# Altium PCB yidong.PcbDoc (part 2 of 2)
Units mil, origin at the board's own origin, x right, y up, seen from the top; angles counter-clockwise.
Board outline 17007.87 x 11459.7 mil, 3 copper layers (Top Layer, GND, Bottom Layer), stack 19.217 mil thick; 488 components, 481 nets, 1152 pads, 320 vias.
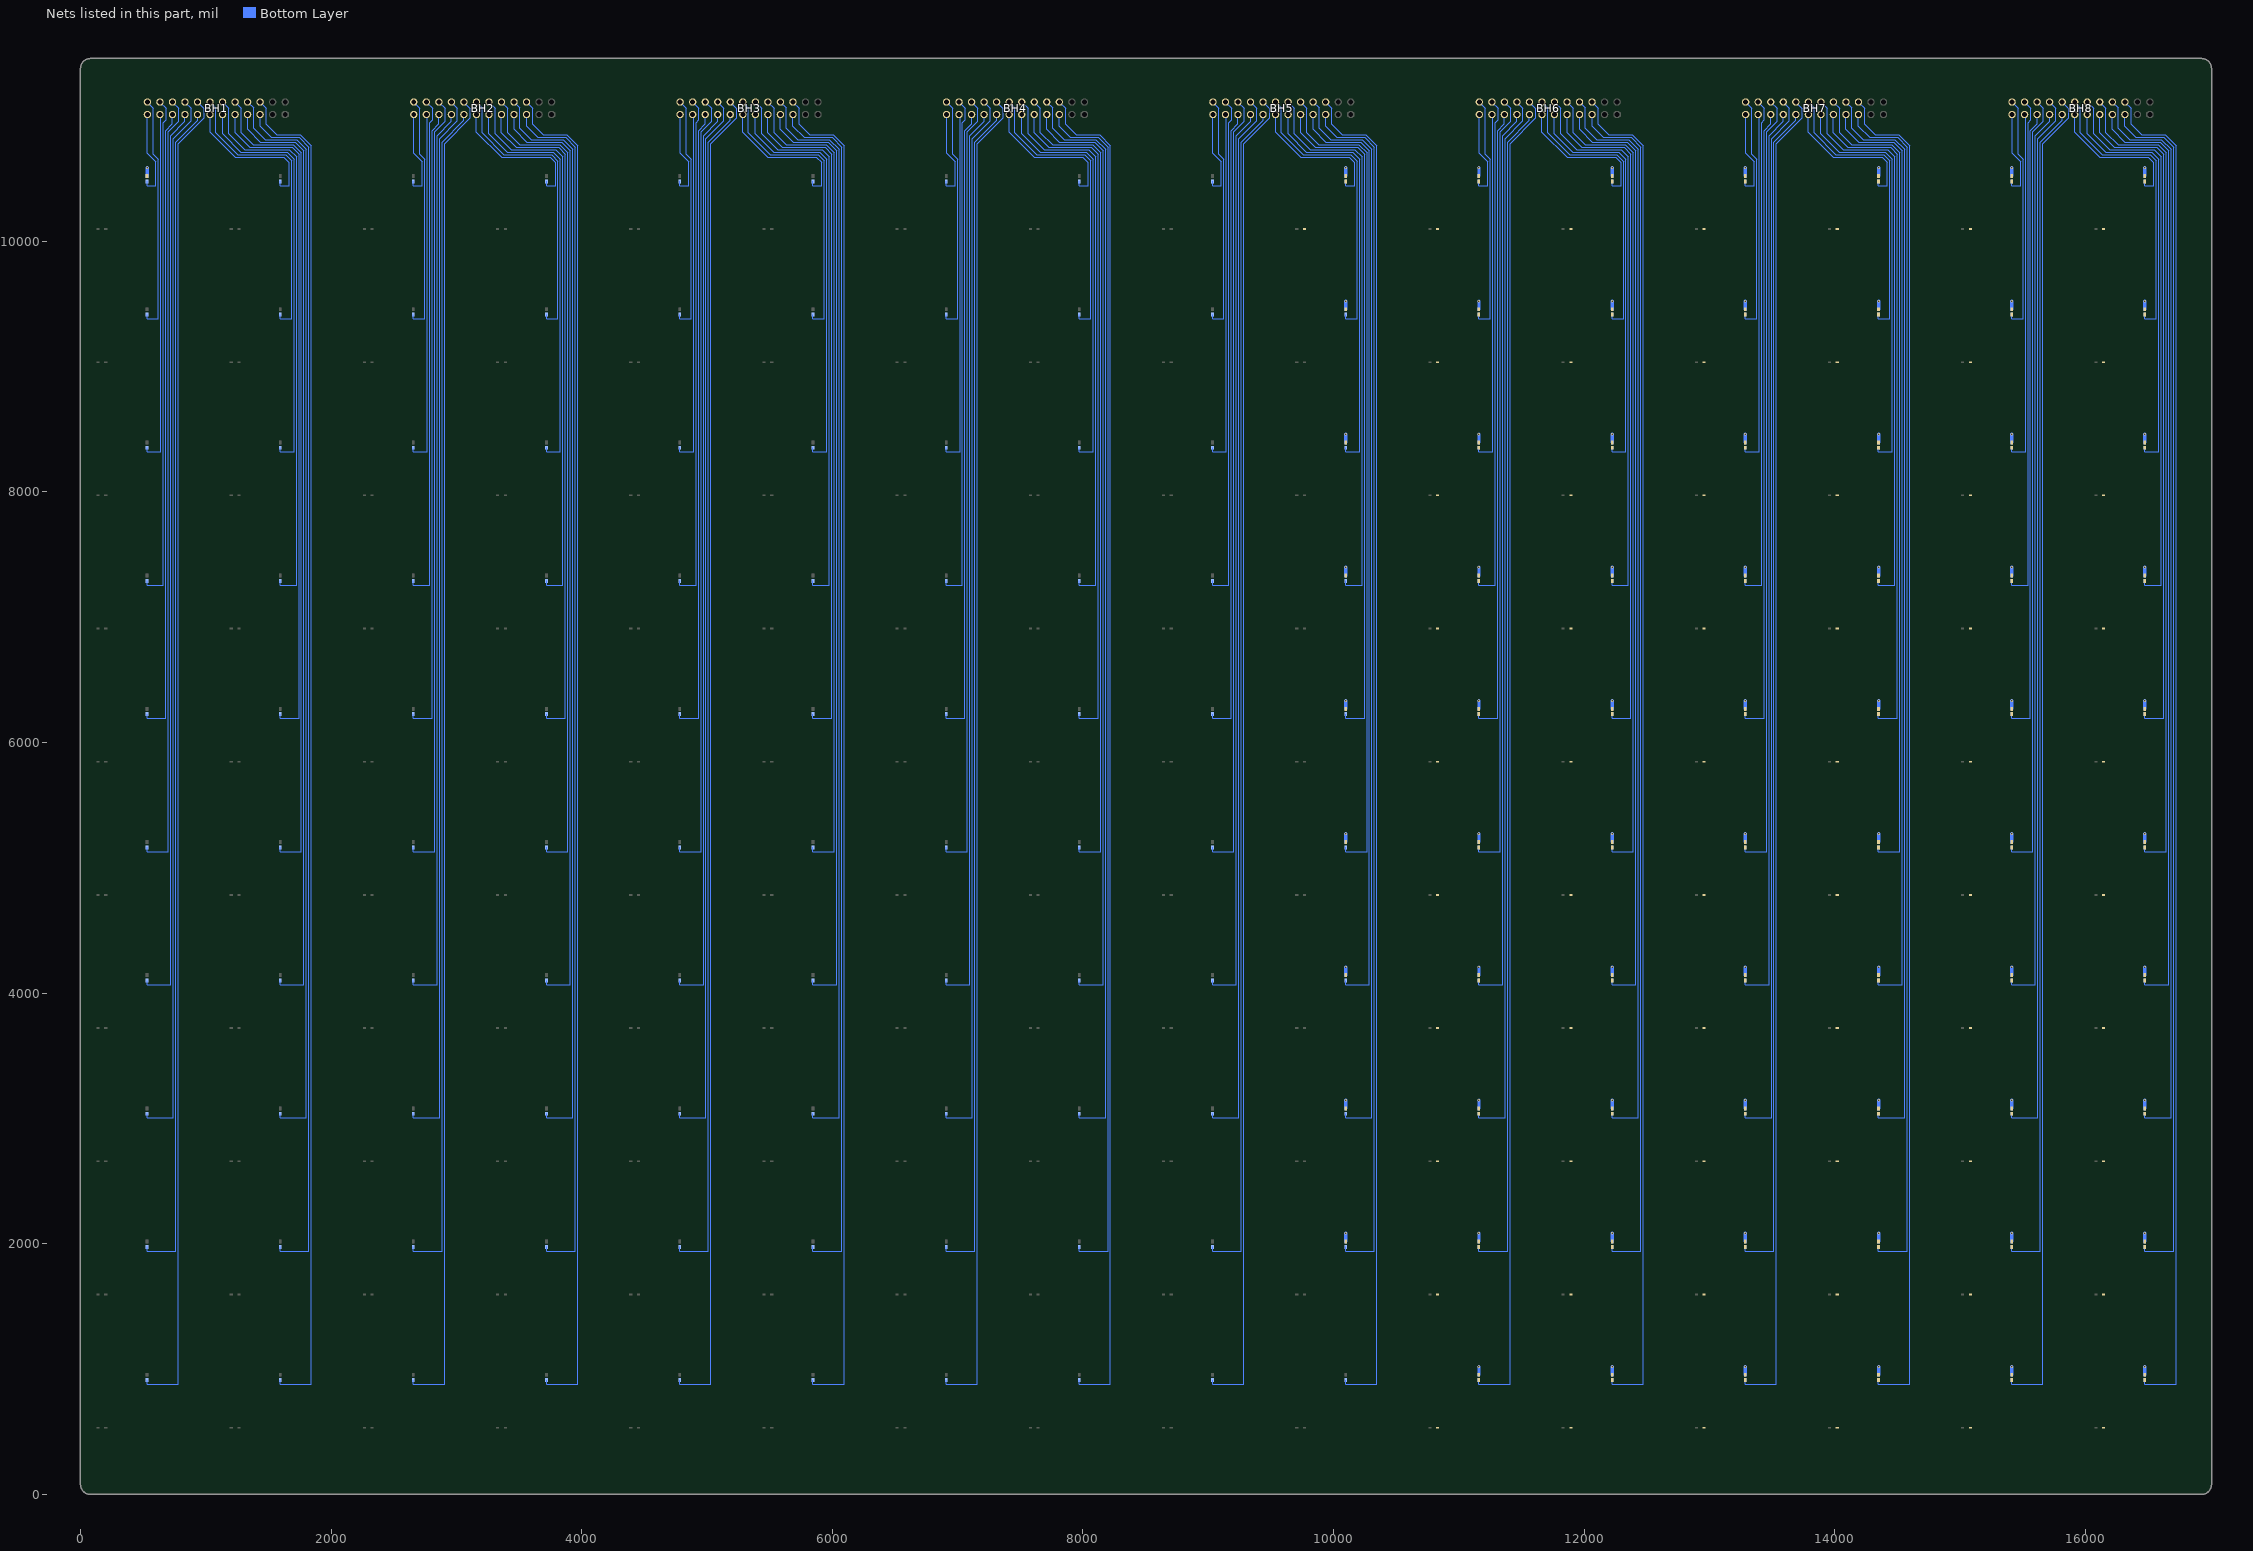
[diagram p3: the nets of this part, all layers, seen from the top]

## Via types
v1: diameter 19.68, hole 11.81, Top Layer to Bottom Layer, tented both sides, 320 vias

## Nets (pads, with @x,y where several pads share a name; then routed paths per layer and width w, separated by ;. In a path a pad name is that pad's centre, name@x,y a point inside that pad or via, vN(x,y) a via of type N, cw(c..) or ccw(c..) an arc to the next point about the centre after c; other vN are vias at no path point) (continued)
NewNet190: BL9_9.2 FL9_9.1 | length 64.6
  Bottom Layer w27.56: BL9_9.2@10098.43,2018.03 v1(10098.43,2082.68)
NewNet191: BL8_9.2 FL8_9.1 | length 64.6
  Bottom Layer w27.56: BL8_9.2@10098.43,3081.03 v1(10098.43,3145.67)
NewNet192: BL7_9.2 FL7_9.1 | length 64.6
  Bottom Layer w27.56: BL7_9.2@10098.43,4144.02 v1(10098.43,4208.66)
NewNet193: BL6_9.2 FL6_9.1 | length 64.6
  Bottom Layer w27.56: BL6_9.2@10098.43,5207.01 v1(10098.43,5271.65)
NewNet194: BL5_9.2 FL5_9.1 | length 64.6
  Bottom Layer w27.56: BL5_9.2@10098.43,6270 v1(10098.43,6334.65)
NewNet195: BL4_9.2 FL4_9.1 | length 64.6
  Bottom Layer w27.56: BL4_9.2@10098.43,7332.99 v1(10098.43,7397.64)
NewNet196: BL3_9.2 FL3_9.1 | length 64.6
  Bottom Layer w27.56: BL3_9.2@10098.43,8395.99 v1(10098.43,8460.63)
NewNet197: BL2_9.2 FL2_9.1 | length 64.6
  Bottom Layer w27.56: BL2_9.2@10098.43,9458.98 v1(10098.43,9523.62)
NewNet198: D1_9.2 FL1_9.2
NewNet199: BL1_9.2 FL1_9.1 | length 64.6
  Bottom Layer w27.56: BL1_9.2@10098.43,10521.97 v1(10098.43,10586.61)
NewNet200: D10_10.2 FL10_10.2
NewNet201: D9_10.2 FL9_10.2
NewNet202: D8_10.2 FL8_10.2
NewNet203: D7_10.2 FL7_10.2
NewNet204: D6_10.2 FL6_10.2
NewNet205: D5_10.2 FL5_10.2
NewNet206: D4_10.2 FL4_10.2
NewNet207: D3_10.2 FL3_10.2
NewNet208: D2_10.2 FL2_10.2
NewNet209: BL10_10.2 FL10_10.1 | length 64.6
  Bottom Layer w27.56: BL10_10.2@11161.42,955.04 v1(11161.42,1019.68)
NewNet210: BL9_10.2 FL9_10.1 | length 64.6
  Bottom Layer w27.56: BL9_10.2@11161.42,2018.03 v1(11161.42,2082.68)
NewNet211: BL8_10.2 FL8_10.1 | length 64.6
  Bottom Layer w27.56: BL8_10.2@11161.42,3081.03 v1(11161.42,3145.67)
NewNet212: BL7_10.2 FL7_10.1 | length 64.6
  Bottom Layer w27.56: BL7_10.2@11161.42,4144.02 v1(11161.42,4208.66)
NewNet213: BL6_10.2 FL6_10.1 | length 64.6
  Bottom Layer w27.56: BL6_10.2@11161.42,5207.01 v1(11161.42,5271.65)
NewNet214: BL5_10.2 FL5_10.1 | length 64.6
  Bottom Layer w27.56: BL5_10.2@11161.42,6270 v1(11161.42,6334.65)
NewNet215: BL4_10.2 FL4_10.1 | length 64.6
  Bottom Layer w27.56: BL4_10.2@11161.42,7332.99 v1(11161.42,7397.64)
NewNet216: BL3_10.2 FL3_10.1 | length 64.6
  Bottom Layer w27.56: BL3_10.2@11161.42,8395.99 v1(11161.42,8460.63)
NewNet217: BL2_10.2 FL2_10.1 | length 64.6
  Bottom Layer w27.56: BL2_10.2@11161.42,9458.98 v1(11161.42,9523.62)
NewNet218: D1_10.2 FL1_10.2
NewNet219: BL1_10.2 FL1_10.1 | length 64.6
  Bottom Layer w27.56: BL1_10.2@11161.42,10521.97 v1(11161.42,10586.61)
NewNet220: D10_11.2 FL10_11.2
NewNet221: D9_11.2 FL9_11.2
NewNet222: D8_11.2 FL8_11.2
NewNet223: D7_11.2 FL7_11.2
NewNet224: D6_11.2 FL6_11.2
NewNet225: D5_11.2 FL5_11.2
NewNet226: D4_11.2 FL4_11.2
NewNet227: D3_11.2 FL3_11.2
NewNet228: D2_11.2 FL2_11.2
NewNet229: BL10_11.2 FL10_11.1 | length 64.6
  Bottom Layer w27.56: BL10_11.2@12224.41,955.04 v1(12224.41,1019.68)
NewNet230: BL9_11.2 FL9_11.1 | length 64.6
  Bottom Layer w27.56: BL9_11.2@12224.41,2018.03 v1(12224.41,2082.68)
NewNet231: BL8_11.2 FL8_11.1 | length 64.6
  Bottom Layer w27.56: BL8_11.2@12224.41,3081.03 v1(12224.41,3145.67)
NewNet232: BL7_11.2 FL7_11.1 | length 64.6
  Bottom Layer w27.56: BL7_11.2@12224.41,4144.02 v1(12224.41,4208.66)
NewNet233: BL6_11.2 FL6_11.1 | length 64.6
  Bottom Layer w27.56: BL6_11.2@12224.41,5207.01 v1(12224.41,5271.65)
NewNet234: BL5_11.2 FL5_11.1 | length 64.6
  Bottom Layer w27.56: BL5_11.2@12224.41,6270 v1(12224.41,6334.65)
NewNet235: BL4_11.2 FL4_11.1 | length 64.6
  Bottom Layer w27.56: BL4_11.2@12224.41,7332.99 v1(12224.41,7397.64)
NewNet236: BL3_11.2 FL3_11.1 | length 64.6
  Bottom Layer w27.56: BL3_11.2@12224.41,8395.99 v1(12224.41,8460.63)
NewNet237: BL2_11.2 FL2_11.1 | length 64.6
  Bottom Layer w27.56: BL2_11.2@12224.41,9458.98 v1(12224.41,9523.62)
NewNet238: D1_11.2 FL1_11.2
NewNet239: BL1_11.2 FL1_11.1 | length 64.6
  Bottom Layer w27.56: BL1_11.2@12224.41,10521.97 v1(12224.41,10586.61)
NewNet240: D10_12.2 FL10_12.2
NewNet241: D9_12.2 FL9_12.2
NewNet242: D8_12.2 FL8_12.2
NewNet243: D7_12.2 FL7_12.2
NewNet244: D6_12.2 FL6_12.2
NewNet245: D5_12.2 FL5_12.2
NewNet246: D4_12.2 FL4_12.2
NewNet247: D3_12.2 FL3_12.2
NewNet248: D2_12.2 FL2_12.2
NewNet249: BL10_12.2 FL10_12.1 | length 64.6
  Bottom Layer w27.56: BL10_12.2@13287.4,955.04 v1(13287.4,1019.68)
NewNet250: BL9_12.2 FL9_12.1 | length 64.6
  Bottom Layer w27.56: BL9_12.2@13287.4,2018.03 v1(13287.4,2082.68)
NewNet251: BL8_12.2 FL8_12.1 | length 64.6
  Bottom Layer w27.56: BL8_12.2@13287.4,3081.03 v1(13287.4,3145.67)
NewNet252: BL7_12.2 FL7_12.1 | length 64.6
  Bottom Layer w27.56: BL7_12.2@13287.4,4144.02 v1(13287.4,4208.66)
NewNet253: BL6_12.2 FL6_12.1 | length 64.6
  Bottom Layer w27.56: BL6_12.2@13287.4,5207.01 v1(13287.4,5271.65)
NewNet254: BL5_12.2 FL5_12.1 | length 64.6
  Bottom Layer w27.56: BL5_12.2@13287.4,6270 v1(13287.4,6334.65)
NewNet255: BL4_12.2 FL4_12.1 | length 64.6
  Bottom Layer w27.56: BL4_12.2@13287.4,7332.99 v1(13287.4,7397.64)
NewNet256: BL3_12.2 FL3_12.1 | length 64.6
  Bottom Layer w27.56: BL3_12.2@13287.4,8395.99 v1(13287.4,8460.63)
NewNet257: BL2_12.2 FL2_12.1 | length 64.6
  Bottom Layer w27.56: BL2_12.2@13287.4,9458.98 v1(13287.4,9523.62)
NewNet258: D1_12.2 FL1_12.2
NewNet259: BL1_12.2 FL1_12.1 | length 64.6
  Bottom Layer w27.56: BL1_12.2@13287.4,10521.97 v1(13287.4,10586.61)
NewNet260: D10_13.2 FL10_13.2
NewNet261: D9_13.2 FL9_13.2
NewNet262: D8_13.2 FL8_13.2
NewNet263: D7_13.2 FL7_13.2
NewNet264: D6_13.2 FL6_13.2
NewNet265: D5_13.2 FL5_13.2
NewNet266: D4_13.2 FL4_13.2
NewNet267: D3_13.2 FL3_13.2
NewNet268: D2_13.2 FL2_13.2
NewNet269: BL10_13.2 FL10_13.1 | length 64.6
  Bottom Layer w27.56: BL10_13.2@14350.39,955.04 v1(14350.39,1019.68)
NewNet270: BL9_13.2 FL9_13.1 | length 64.6
  Bottom Layer w27.56: BL9_13.2@14350.39,2018.03 v1(14350.39,2082.68)
NewNet271: BL8_13.2 FL8_13.1 | length 64.6
  Bottom Layer w27.56: BL8_13.2@14350.39,3081.03 v1(14350.39,3145.67)
NewNet272: BL7_13.2 FL7_13.1 | length 64.6
  Bottom Layer w27.56: BL7_13.2@14350.39,4144.02 v1(14350.39,4208.66)
NewNet273: BL6_13.2 FL6_13.1 | length 64.6
  Bottom Layer w27.56: BL6_13.2@14350.39,5207.01 v1(14350.39,5271.65)
NewNet274: BL5_13.2 FL5_13.1 | length 64.6
  Bottom Layer w27.56: BL5_13.2@14350.39,6270 v1(14350.39,6334.65)
NewNet275: BL4_13.2 FL4_13.1 | length 64.6
  Bottom Layer w27.56: BL4_13.2@14350.39,7332.99 v1(14350.39,7397.64)
NewNet276: BL3_13.2 FL3_13.1 | length 64.6
  Bottom Layer w27.56: BL3_13.2@14350.39,8395.99 v1(14350.39,8460.63)
NewNet277: BL2_13.2 FL2_13.1 | length 64.6
  Bottom Layer w27.56: BL2_13.2@14350.39,9458.98 v1(14350.39,9523.62)
NewNet278: D1_13.2 FL1_13.2
NewNet279: BL1_13.2 FL1_13.1 | length 64.6
  Bottom Layer w27.56: BL1_13.2@14350.39,10521.97 v1(14350.39,10586.61)
NewNet280: D10_14.2 FL10_14.2
NewNet281: D9_14.2 FL9_14.2
NewNet282: D8_14.2 FL8_14.2
NewNet283: D7_14.2 FL7_14.2
NewNet284: D6_14.2 FL6_14.2
NewNet285: D5_14.2 FL5_14.2
NewNet286: D4_14.2 FL4_14.2
NewNet287: D3_14.2 FL3_14.2
NewNet288: D2_14.2 FL2_14.2
NewNet289: BL10_14.2 FL10_14.1 | length 64.6
  Bottom Layer w27.56: BL10_14.2@15413.39,955.04 v1(15413.39,1019.68)
NewNet290: BL9_14.2 FL9_14.1 | length 64.6
  Bottom Layer w27.56: BL9_14.2@15413.39,2018.03 v1(15413.39,2082.68)
NewNet291: BL8_14.2 FL8_14.1 | length 64.6
  Bottom Layer w27.56: BL8_14.2@15413.39,3081.03 v1(15413.39,3145.67)
NewNet292: BL7_14.2 FL7_14.1 | length 64.6
  Bottom Layer w27.56: BL7_14.2@15413.39,4144.02 v1(15413.39,4208.66)
NewNet293: BL6_14.2 FL6_14.1 | length 64.6
  Bottom Layer w27.56: BL6_14.2@15413.39,5207.01 v1(15413.39,5271.65)
NewNet294: BL5_14.2 FL5_14.1 | length 64.6
  Bottom Layer w27.56: BL5_14.2@15413.39,6270 v1(15413.39,6334.65)
NewNet295: BL4_14.2 FL4_14.1 | length 64.6
  Bottom Layer w27.56: BL4_14.2@15413.39,7332.99 v1(15413.39,7397.64)
NewNet296: BL3_14.2 FL3_14.1 | length 64.6
  Bottom Layer w27.56: BL3_14.2@15413.39,8395.99 v1(15413.39,8460.63)
NewNet297: BL2_14.2 FL2_14.1 | length 64.6
  Bottom Layer w27.56: BL2_14.2@15413.39,9458.98 v1(15413.39,9523.62)
NewNet298: D1_14.2 FL1_14.2
NewNet299: BL1_14.2 FL1_14.1 | length 64.6
  Bottom Layer w27.56: BL1_14.2@15413.39,10521.97 v1(15413.39,10586.61)
NewNet300: D10_15.2 FL10_15.2
NewNet301: D9_15.2 FL9_15.2
NewNet302: D8_15.2 FL8_15.2
NewNet303: D7_15.2 FL7_15.2
NewNet304: D6_15.2 FL6_15.2
NewNet305: D5_15.2 FL5_15.2
NewNet306: D4_15.2 FL4_15.2
NewNet307: D3_15.2 FL3_15.2
NewNet308: D2_15.2 FL2_15.2
NewNet309: BL10_15.2 FL10_15.1 | length 64.6
  Bottom Layer w27.56: BL10_15.2@16476.38,955.04 v1(16476.38,1019.68)
NewNet310: BL9_15.2 FL9_15.1 | length 64.6
  Bottom Layer w27.56: BL9_15.2@16476.38,2018.03 v1(16476.38,2082.68)
NewNet311: BL8_15.2 FL8_15.1 | length 64.6
  Bottom Layer w27.56: BL8_15.2@16476.38,3081.03 v1(16476.38,3145.67)
NewNet312: BL7_15.2 FL7_15.1 | length 64.6
  Bottom Layer w27.56: BL7_15.2@16476.38,4144.02 v1(16476.38,4208.66)
NewNet313: BL6_15.2 FL6_15.1 | length 64.6
  Bottom Layer w27.56: BL6_15.2@16476.38,5207.01 v1(16476.38,5271.65)
NewNet314: BL5_15.2 FL5_15.1 | length 64.6
  Bottom Layer w27.56: BL5_15.2@16476.38,6270 v1(16476.38,6334.65)
NewNet315: BL4_15.2 FL4_15.1 | length 64.6
  Bottom Layer w27.56: BL4_15.2@16476.38,7332.99 v1(16476.38,7397.64)
NewNet316: BL3_15.2 FL3_15.1 | length 64.6
  Bottom Layer w27.56: BL3_15.2@16476.38,8395.99 v1(16476.38,8460.63)
NewNet317: BL2_15.2 FL2_15.1 | length 64.6
  Bottom Layer w27.56: BL2_15.2@16476.38,9458.98 v1(16476.38,9523.62)
NewNet318: D1_15.2 FL1_15.2
NewNet319: BL1_15.2 FL1_15.1 | length 64.6
  Bottom Layer w27.56: BL1_15.2@16476.38,10521.97 v1(16476.38,10586.61)
NewNet320: BL1.2 FL1.1 | length 64.6
  Bottom Layer w27.56: BL1.2@531.5,10521.97 v1(531.5,10586.61)
NewNet321: BH1.23 BL1.1 | length 700.4
  Bottom Layer w7.87: BL1.1@530.98,10478.54 531,10445 602.4,10445 602.4,10636.2 534.1,10704.5 BH1.23@534.1,11012.2
NewNet322: BH1.24 BL2.1 | length 1891.6
  Bottom Layer w7.87: BL2.1@531,9415.55 531,9382.01 622.09,9382.01 622.09,10629.92 622.5,10630.34 622.5,10653.6 581.9,10694.2 581.9,11064.4 BH1.24@534.1,11112.2
NewNet323: BH1.21 BL3.1 | length 2840.7
  Bottom Layer w7.87: BL3.1@531,8352.56 531,8319.02 641.77,8319.02 641.77,11004.53 BH1.21@634.1,11012.2
NewNet324: BH1.22 BL4.1 | length 4050
  Bottom Layer w7.87: BL4.1@531,7289.56 531,7256.02 661.46,7256.02 661.46,10948.56 683.8,10970.9 683.8,11062.5 BH1.22@634.1,11112.2
NewNet325: BH1.19 BL5.1 | length 5024.8
  Bottom Layer w7.87: BL5.1@531,6226.57 531,6193.03 681.14,6193.03 681.14,10884.04 734.1,10937 BH1.19@734.1,11012.2
NewNet326: BH1.20 BL6.1 | length 6241.3
  Bottom Layer w7.87: BL6.1@531,5163.58 531,5130.04 700.83,5130.04 700.83,10874.03 784.8,10958 784.8,11061.5 BH1.20@734.1,11112.2
NewNet327: BH1.17 BL7.1 | length 7215.3
  Bottom Layer w7.87: BL7.1@531,4100.59 531,4067.05 720.51,4067.05 720.51,10844.81 834.1,10958.4 BH1.17@834.1,11012.2
NewNet328: BH1.18 BL8.1 | length 8429.8
  Bottom Layer w7.87: BL8.1@531,3037.6 531,3004.06 740.2,3004.06 740.2,10821 882.4,10963.2 882.4,11063.9 BH1.18@834.1,11112.2
NewNet329: BH1.15 BL9.1 | length 9405.7
  Bottom Layer w7.87: BL9.1@531,1974.6 531,1941.06 759.88,1941.06 759.88,10792.38 934.1,10966.6 BH1.15@934.1,11012.2
NewNet330: BH1.16 BL10.1 | length 10623.2
  Bottom Layer w7.87: BL10.1@531,911.61 531,878.07 779.57,878.07 779.57,10778.77 986,10985.2 986,11060.3 BH1.16@934.1,11112.2
NewNet331: BH1.6 BL10_1.1 | length 10795.3
  Bottom Layer w7.87: BH1.6@1434.1,11112.2 1483.8,11062.5 1483.8,10934.2 1567.4,10850.6 1754.9,10850.6 1842.56,10762.94 1842.56,878.07 1593.99,878.07 BL10_1.1@1593.99,911.61
NewNet332: BH1.5 BL9_1.1 | length 9625.2
  Bottom Layer w7.87: BH1.5@1434.1,11012.2 1434.1,10918.1 1523,10829.2 1746,10829.2 1822.87,10752.33 1822.87,1941.06 1593.99,1941.06 BL9_1.1@1593.99,1974.6
NewNet333: BH1.8 BL8_1.1 | length 8693.3
  Bottom Layer w7.87: BH1.8@1334.1,11112.2 1381.4,11064.9 1381.4,10902.4 1472.9,10810.9 1725.7,10810.9 1803.19,10733.41 1803.19,3004.06 1593.99,3004.06 BL8_1.1@1593.99,3037.6
NewNet334: BH1.7 BL7_1.1 | length 7518.3
  Bottom Layer w7.87: BH1.7@1334.1,11012.2 1334.1,10893.3 1435.3,10792.1 1715.2,10792.1 1783.5,10723.8 1783.5,4067.05 1593.99,4067.05 BL7_1.1@1593.99,4100.59
NewNet335: BH1.10 BL6_1.1 | length 6592.2
  Bottom Layer w7.87: BH1.10@1234.1,11112.2 1283.2,11063.1 1283.2,10867.9 1379.9,10771.2 1699.5,10771.2 1763.82,10706.88 1763.82,5130.04 1593.99,5130.04 BL6_1.1@1593.99,5163.58
NewNet336: BH1.9 BL5_1.1 | length 5413
  Bottom Layer w7.87: BH1.9@1234.1,11012.2 1234.1,10866.3 1350.6,10749.8 1690.1,10749.8 1744.13,10695.77 1744.13,6193.03 1593.99,6193.03 BL5_1.1@1593.99,6226.57
NewNet337: BH1.12 BL4_1.1 | length 4472.8
  Bottom Layer w7.87: BH1.12@1134.1,11112.2 1184.5,11061.8 1184.5,10858.5 1312.5,10730.5 1667.7,10730.5 1724.45,10673.75 1724.45,7256.02 1593.99,7256.02 BL4_1.1@1593.99,7289.56
NewNet338: BH1.11 BL3_1.1 | length 3289.3
  Bottom Layer w7.87: BH1.11@1134.1,11012.2 1134.1,10858.8 1280.7,10712.2 1648.4,10712.2 1704.76,10655.84 1704.76,8319.02 1593.99,8319.02 BL3_1.1@1593.99,8352.56
NewNet339: BH1.14 BL2_1.1 | length 2349.2
  Bottom Layer w7.87: BH1.14@1034.1,11112.2 1079.5,11066.8 1079.5,10865.3 1254,10690.8 1637.6,10690.8 1685.08,10643.32 1685.08,9382.01 1593.99,9382.01 BL2_1.1@1593.99,9415.55
NewNet340: BH1.13 BL1_1.1 | length 1162.2
  Bottom Layer w7.87: BH1.13@1034.1,11012.2 1034.1,10871 1234.7,10670.4 1622.2,10670.4 1662.68,10629.92 1665.39,10629.92 1665.39,10445 1593.99,10445 BL1_1.1@1593.99,10478.54
NewNet341: BH2.16 BL10_2.1 | length 10623.2
  Bottom Layer w7.87: BL10_2.1@2656.98,911.61 2656.98,878.07 2905.55,878.07 2905.55,10778.77 3111.98,10985.2 3111.98,11060.3 BH2.16@3060.08,11112.2
NewNet342: BH2.15 BL9_2.1 | length 9405.7
  Bottom Layer w7.87: BL9_2.1@2656.98,1974.6 2656.98,1941.06 2885.86,1941.06 2885.86,10792.38 3060.08,10966.6 BH2.15@3060.08,11012.2
NewNet343: BH2.18 BL8_2.1 | length 8429.8
  Bottom Layer w7.87: BL8_2.1@2656.98,3037.6 2656.98,3004.06 2866.18,3004.06 2866.18,10821 3008.38,10963.2 3008.38,11063.9 BH2.18@2960.08,11112.2
NewNet344: BH2.17 BL7_2.1 | length 7215.3
  Bottom Layer w7.87: BL7_2.1@2656.98,4100.59 2656.98,4067.05 2846.49,4067.05 2846.49,10844.81 2960.08,10958.4 BH2.17@2960.08,11012.2
NewNet345: BH2.20 BL6_2.1 | length 6241.3
  Bottom Layer w7.87: BL6_2.1@2656.98,5163.58 2656.98,5130.04 2826.81,5130.04 2826.81,10874.03 2910.78,10958 2910.78,11061.5 BH2.20@2860.08,11112.2
NewNet346: BH2.19 BL5_2.1 | length 5024.8
  Bottom Layer w7.87: BL5_2.1@2656.98,6226.57 2656.98,6193.03 2807.12,6193.03 2807.12,10884.04 2860.08,10937 BH2.19@2860.08,11012.2
NewNet347: BH2.22 BL4_2.1 | length 4050
  Bottom Layer w7.87: BL4_2.1@2656.98,7289.56 2656.98,7256.02 2787.44,7256.02 2787.44,10948.56 2809.78,10970.9 2809.78,11062.5 BH2.22@2760.08,11112.2
NewNet348: BH2.21 BL3_2.1 | length 2840.7
  Bottom Layer w7.87: BL3_2.1@2656.98,8352.56 2656.98,8319.02 2767.75,8319.02 2767.75,11004.53 BH2.21@2760.08,11012.2
NewNet349: BH2.24 BL2_2.1 | length 1891.6
  Bottom Layer w7.87: BL2_2.1@2656.98,9415.55 2656.98,9382.01 2748.07,9382.01 2748.07,10629.92 2748.48,10630.34 2748.48,10653.6 2707.88,10694.2 2707.88,11064.4 BH2.24@2660.08,11112.2
NewNet350: BH2.23 BL1_2.1 | length 700.4
  Bottom Layer w7.87: BL1_2.1@2656.98,10478.54 2656.98,10445 2728.38,10445 2728.38,10636.2 2660.08,10704.5 BH2.23@2660.08,11012.2
NewNet351: BH2.6 BL10_3.1 | length 10795.3
  Bottom Layer w7.87: BH2.6@3560.08,11112.2 3609.78,11062.5 3609.78,10934.2 3693.38,10850.6 3880.88,10850.6 3968.54,10762.94 3968.54,878.07 3719.98,878.07 BL10_3.1@3719.98,911.61
NewNet352: BH2.5 BL9_3.1 | length 9625.2
  Bottom Layer w7.87: BH2.5@3560.08,11012.2 3560.08,10918.1 3648.98,10829.2 3871.98,10829.2 3948.86,10752.33 3948.86,1941.06 3719.98,1941.06 BL9_3.1@3719.98,1974.6
NewNet353: BH2.8 BL8_3.1 | length 8693.3
  Bottom Layer w7.87: BH2.8@3460.08,11112.2 3507.38,11064.9 3507.38,10902.4 3598.88,10810.9 3851.68,10810.9 3929.17,10733.41 3929.17,3004.06 3719.98,3004.06 BL8_3.1@3719.98,3037.6
NewNet354: BH2.7 BL7_3.1 | length 7518.3
  Bottom Layer w7.87: BH2.7@3460.08,11012.2 3460.08,10893.3 3561.28,10792.1 3841.18,10792.1 3909.49,10723.8 3909.49,4067.05 3719.98,4067.05 BL7_3.1@3719.98,4100.59
NewNet355: BH2.10 BL6_3.1 | length 6592.2
  Bottom Layer w7.87: BH2.10@3360.08,11112.2 3409.18,11063.1 3409.18,10867.9 3505.88,10771.2 3825.48,10771.2 3889.8,10706.88 3889.8,5130.04 3719.98,5130.04 BL6_3.1@3719.98,5163.58
NewNet356: BH2.9 BL5_3.1 | length 5413
  Bottom Layer w7.87: BH2.9@3360.08,11012.2 3360.08,10866.3 3476.58,10749.8 3816.08,10749.8 3870.12,10695.77 3870.12,6193.03 3719.98,6193.03 BL5_3.1@3719.98,6226.57
NewNet357: BH2.12 BL4_3.1 | length 4472.8
  Bottom Layer w7.87: BH2.12@3260.08,11112.2 3310.48,11061.8 3310.48,10858.5 3438.48,10730.5 3793.68,10730.5 3850.43,10673.75 3850.43,7256.02 3719.98,7256.02 BL4_3.1@3719.98,7289.56
NewNet358: BH2.11 BL3_3.1 | length 3289.3
  Bottom Layer w7.87: BH2.11@3260.08,11012.2 3260.08,10858.8 3406.68,10712.2 3774.38,10712.2 3830.75,10655.84 3830.75,8319.02 3719.98,8319.02 BL3_3.1@3719.98,8352.56
NewNet359: BH2.14 BL2_3.1 | length 2347.4
  Bottom Layer w7.87: BH2.14@3160.08,11112.2 3205.48,11066.8 3205.48,10865.3 3379.98,10690.8 3760.5,10690.8 3811.06,10640.24 3811.06,9382.01 3719.98,9382.01 BL2_3.1@3719.98,9415.55
NewNet360: BH2.13 BL1_3.1 | length 1162.2
  Bottom Layer w7.87: BH2.13@3160.08,11012.2 3160.08,10871 3360.68,10670.4 3748.18,10670.4 3788.66,10629.92 3791.38,10629.92 3791.38,10445 3719.98,10445 BL1_3.1@3719.98,10478.54
NewNet361: BH3.16 BL10_4.1 | length 10623.2
  Bottom Layer w7.87: BL10_4.1@4782.97,911.61 4782.97,878.07 5031.53,878.07 5031.53,10778.77 5237.97,10985.2 5237.97,11060.3 BH3.16@5186.07,11112.2
NewNet362: BH3.15 BL9_4.1 | length 9405.7
  Bottom Layer w7.87: BL9_4.1@4782.97,1974.6 4782.97,1941.06 5011.85,1941.06 5011.85,10792.38 5186.07,10966.6 BH3.15@5186.07,11012.2
NewNet363: BH3.18 BL8_4.1 | length 8429.8
  Bottom Layer w7.87: BL8_4.1@4782.97,3037.6 4782.97,3004.06 4992.16,3004.06 4992.16,10821 5134.37,10963.2 5134.37,11063.9 BH3.18@5086.07,11112.2
NewNet364: BH3.17 BL7_4.1 | length 7215.3
  Bottom Layer w7.87: BL7_4.1@4782.97,4100.59 4782.97,4067.05 4972.48,4067.05 4972.48,10844.81 5086.07,10958.4 BH3.17@5086.07,11012.2
NewNet365: BH3.20 BL6_4.1 | length 6241.3
  Bottom Layer w7.87: BL6_4.1@4782.97,5163.58 4782.97,5130.04 4952.79,5130.04 4952.79,10874.03 5036.77,10958 5036.77,11061.5 BH3.20@4986.07,11112.2